# Altium PCB PCB.PcbDoc (part 1 of 3) (continued)
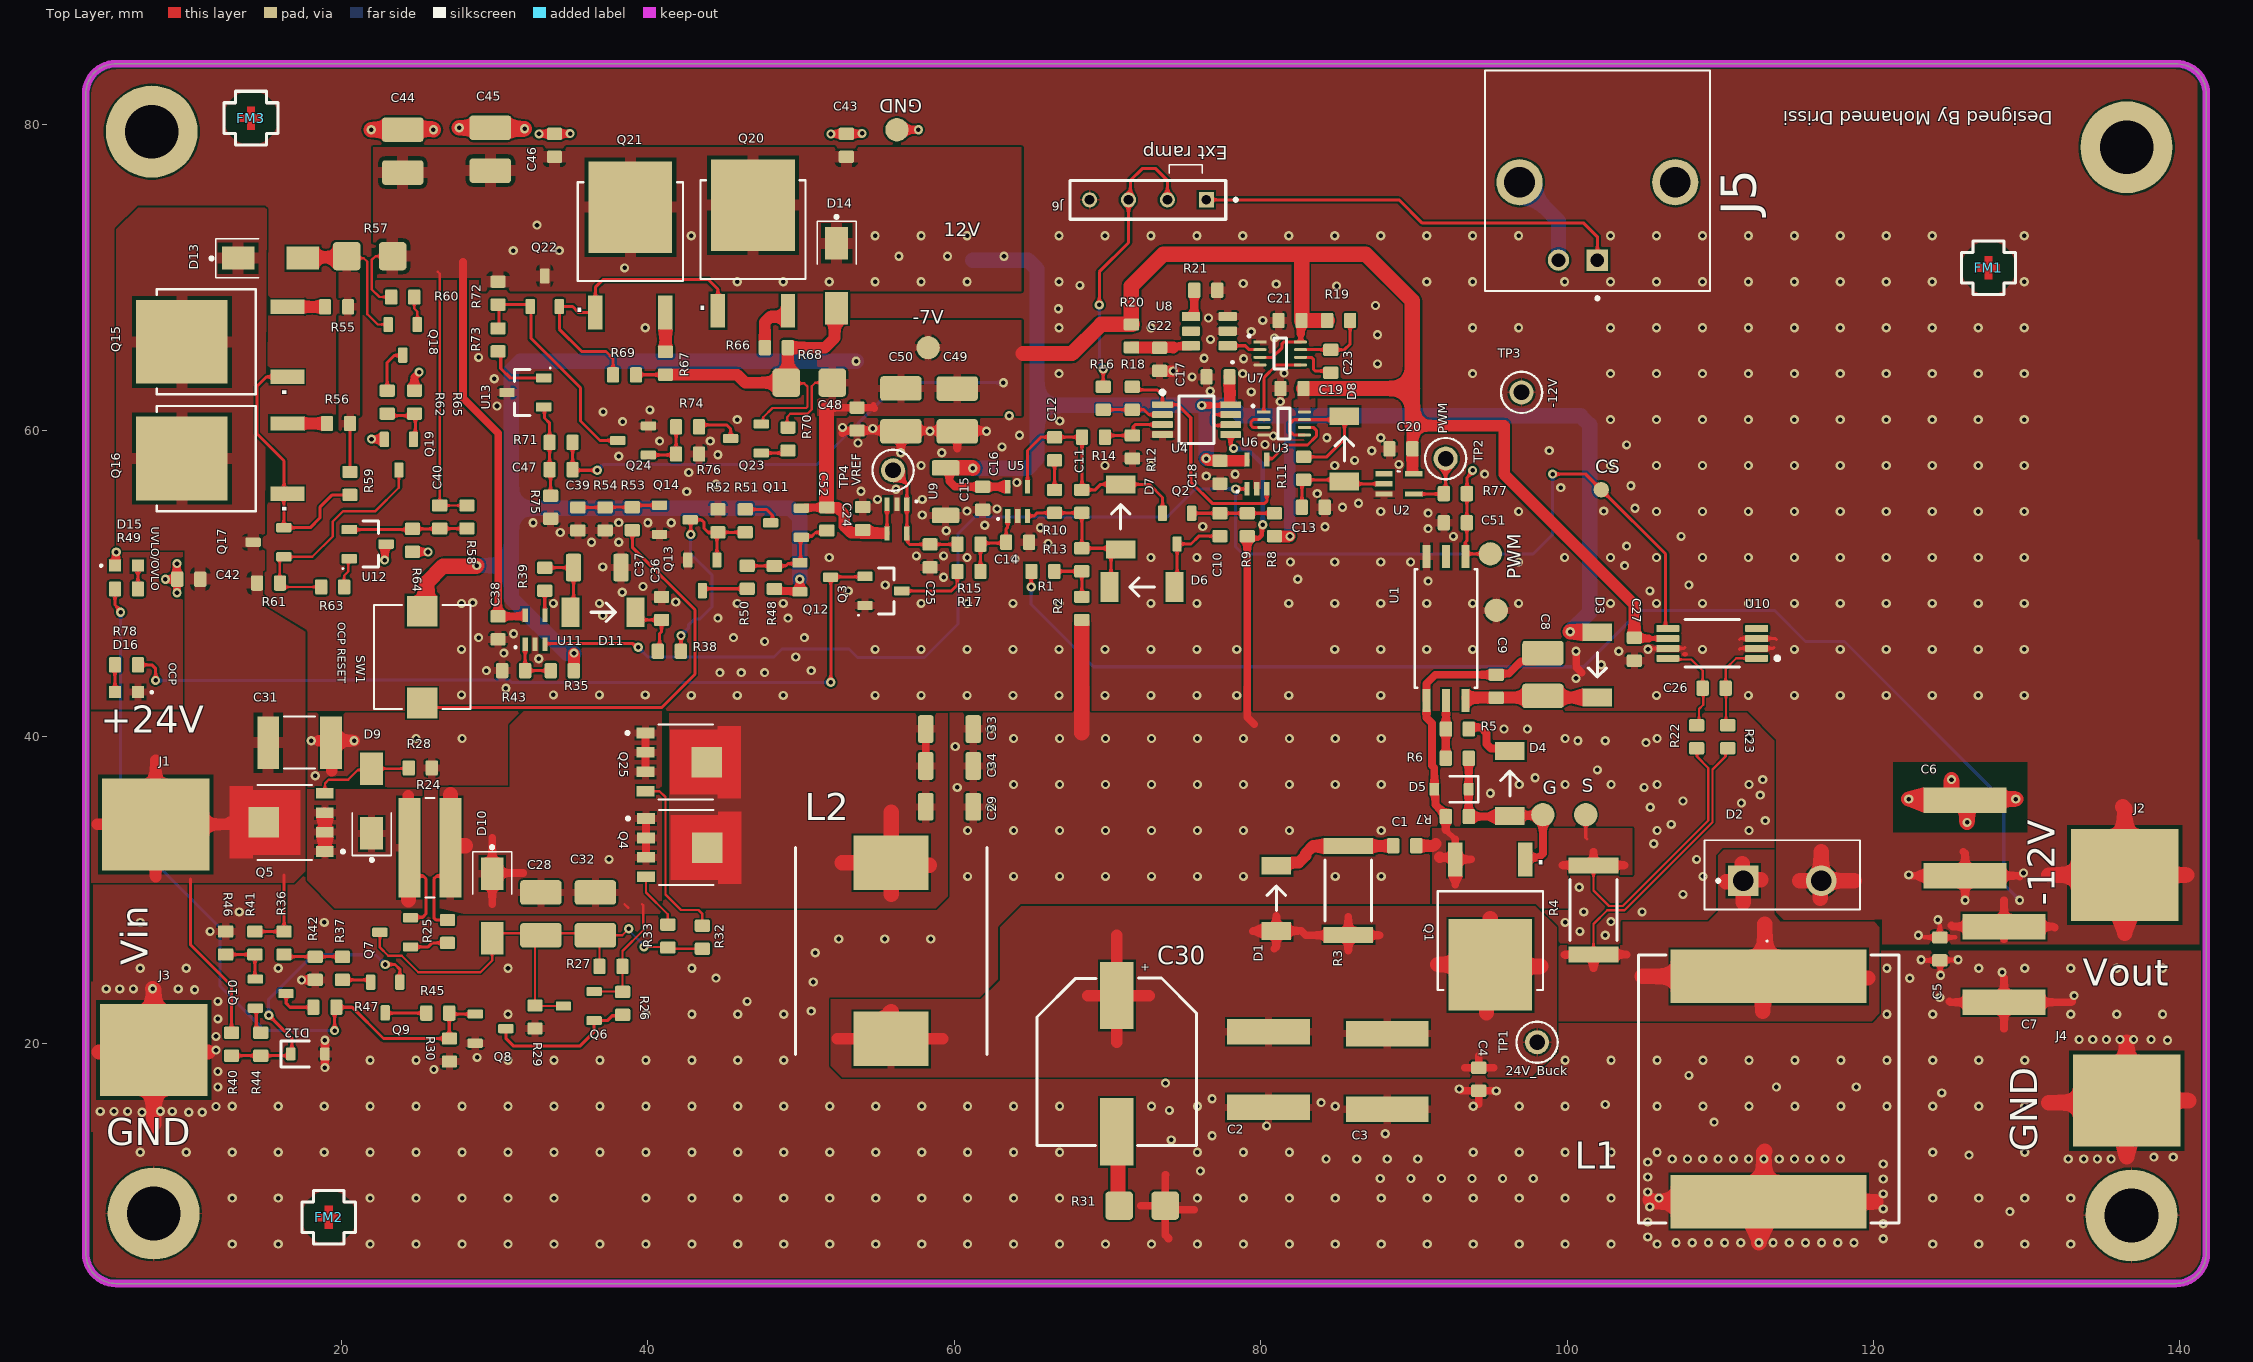
[diagram p0: Top Layer view]
## Components (designator, comment, footprint, x,y, rotation, side; value= is the part's Value field where it differs from the comment) (continued)
J5 "031-5431-10RFX" "031-5431-10RFX BNC" 101.981,73.66 r270 top
J6 "Samtec TS-104-T-AA" "CONN HEADER VERT 4POS 2.54MM" 72.644,75.057 r180 top
L1 "MWLA1707S-220MT" MWLA1707S 113.157,17.018 r270 top
L2 "SRP1265CC-100M" INDPM135125X650N 55.88,26.035 r270 top
MH1 "Mounting Hole" MOUNTING 136.843,8.763 r180 bottom
MH2 "Mounting Hole" MOUNTING 7.747,8.89 r180 bottom
MH3 "Mounting Hole" MOUNTING 136.525,78.486 r180 bottom
MH4 "Mounting Hole" MOUNTING 7.62,79.502 r180 bottom
Q1 "FQD18N20V2" "TO-252  (DPAK)" 94.996,26.708 r180 top
Q2 "BC856A,215" sot23 74.549,53.594 r180 top
Q3 "SSF2300" SOT-23-3 55.372,49.53 r180 top
Q4 "BUK6Y55-80PX" LFPAK56 42.703,32.77 r0 top
Q5 "BUK6Y55-80PX" LFPAK56 16.098,34.417 r180 top
Q6 "PBSS9110T-QR" SOT23 35.493,22.429 r90 top
Q7 "PBSS9110T-QR" SOT23 23.511,27.244 r90 top
Q8 "BC846,215" sot23 29.734,20.955 r270 top
Q9 "BC856A,215" sot23 22.86,22.987 r180 top
Q10 "BC856A,215" sot23 15.383,23.241 r270 top
Q11 "BC856A,215" sot23 49.022,53.975 r90 top
Q12 "BC856A,215" sot23 50.927,50.419 r270 top
Q13 "BC846,215" sot23 43.561,50.546 r180 top
Q14 "BC846,215" sot23 41.767,54.168 r270 top
Q15 "2SC6076(TE16L1,NV)" "TO-252  (DPAK)" 11.176,65.786 r90 top
Q16 "2SC6076(TE16L1,NV)" "TO-252  (DPAK)" 11.176,58.166 r90 top
Q17 "BC846,215" sot23 15.24,52.705 r90 top
Q18 "PBSS9110T-QR" SOT23 24.003,65.913 r180 top
Q19 "BC846,215" sot23 23.749,58.42 r180 top
Q20 "2SC6076(TE16L1,NV)" "TO-252  (DPAK)" 46.863,73.114 r0 top
Q21 "2SC6076(TE16L1,NV)" "TO-252  (DPAK)" 38.862,72.987 r0 top
Q22 "BC846,215" sot23 33.274,69.088 r0 top
Q23 "PBSS9110T-QR" SOT23 46.404,59.477 r90 top
Q24 "BC846,215" sot23 39.038,59.35 r90 top
Q25 "BUK6Y55-80PX" LFPAK56 42.672,38.354 r0 top
R1 "RT0603BRD071K13L" RES_0603 65.786,50.8 r180 top
R2 "ERA-3AEB103V" res_0603 68.326,48.387 r90 top
R3 "CPA2512E1000FS-T10" res_2512 85.725,29.972 r90 top
R4 "D1MPAB2512QR015FA-T4" res_2512 101.727,28.702 r270 top
R5 "CRCW06032R00FKEA" res_0603 92.837,40.513 r180 top value=2
R6 "CRCW06034R75FKEAHP" res_0603 92.837,38.608 r180 top value=4.75
R7 "CRCW0603100KFKEA" res_0603 92.837,34.798 r0 top
R8 "CRCW060375K0FKEAC" Res_0603 80.899,53.848 r90 top
R9 "RC0603FR-0715KL" Res_0603 79.121,53.848 r270 top
R10 "RN73H1JTTD6423B50" res_0603 66.548,55.372 r270 top value=642k
R11 "CRCW0603100KFKEA" res_0603 82.804,57.531 r270 top
R12 "ERA-3AEB103V" res_0603 71.628,58.928 r270 top
R13 "AT0603BRD0740KL" Res_0603 68.326,51.562 r270 top value=40k
R14 "ERA-3AEB103V" res_0603 69.088,59.563 r0 top
R15 "RC0603FR-071KL" res_0603 60.96,52.578 r180 top
R16 "ERA-3AEB103V" res_0603 69.723,62.103 r270 top
R17 "RC0603FR-0710RL" res_0603 60.96,50.8 r0 top
R18 "ERA-3AEB103V" res_0603 71.628,62.103 r90 top
R19 "RT0603BRD072KL" res_0603 85.09,67.183 r180 top
R20 "RC0603FR-07100RL" res_0603 71.561,66.17 r270 top
R21 "RT0603BRD07332KL" res_0603 76.419,69.151 r180 top
R22 "RC0603FR-0710RL" res_0603 108.458,40.005 r90 top value=1kΩ
R23 "RC0603FR-0710RL" res_0603 110.49,40.005 r90 top value=1kΩ
R24 "RLW73PA3FR047TE" RES_1225 25.781,32.766 r0 top
R25 "CRGCQ0603J220R" res_0603 26.924,27.305 r90 top
R26 "RC0603FR-0710KL" res_0603 38.354,22.606 r90 top
R27 "CRGCQ0603J68K" res_0603 37.592,25.019 r0 top
R28 "CRCW0603100KFKEA" res_0603 25.146,37.973 r180 top
R29 "CRCW0603100KFKEA" res_0603 32.639,21.717 r90 top
R30 "CRCW0603100KFKEA" res_0603 27.051,19.558 r90 top
R31 "MFHA1206R4000FC" res_1206 72.263,9.398 r180 top
R32 "RC0603FR-0710RL" res_0603 43.561,26.924 r270 top
R33 "RC0603FR-0710RL" res_0603 41.307,26.995 r270 top
R35 "CPF0603F20KC1" res_0603 34.417,44.323 r0 top value=20k
R36 "CRCW0603100KFKEA" res_0603 16.256,26.543 r90 top
R37 "RC0603FR-071KL" res_0603 20.066,24.892 r270 top
R38 "RC0603FR-0747KL" res_0603 41.402,45.593 r180 top
R39 "RC0603FR-07100RL" res_0603 33.274,50.292 r270 top
R40 "RC0603FR-073K6L" res_0603 12.827,19.939 r90 top
R41 "CRCW0603100KFKEA" res_0603 14.351,26.543 r90 top
R42 "RC0603FR-0724KL" res_0603 18.288,24.892 r90 top
R43 "MCT06030C3902FP500" res_0603 31.242,44.323 r0 top value=39k
R44 "RC0603FR-071KL" res_0603 14.732,19.939 r90 top
R45 "RC0603FR-07100RL" res_0603 26.289,21.971 r180 top
R46 "RC0603FR-0739KL" res_0603 12.446,26.543 r270 top
R47 "RC0603FR-07100RL" res_0603 18.923,22.352 r180 top
R48 "CRCW0603100KFKEA" res_0603 48.26,50.407 r270 top
R49 "RC0603FR-07100RL" res_0603 5.969,49.657 r180 top
R50 "CPF0603F20KC1" res_0603 46.482,50.419 r90 top value=20k
R51 "CPF0603F20KC1" res_0603 46.355,54.102 r90 top value=20k
R52 "CRCW0603100KFKEA" res_0603 44.577,54.102 r270 top
R53 "RC0603FR-071KL" res_0603 38.989,54.241 r90 top
R54 "CRCW0603100KFKEA" res_0603 37.211,54.229 r90 top
R55 "RCWE0603R220FKEA" res_0603 19.685,68.072 r0 top
R56 "RCWE0603R220FKEA" res_0603 19.812,60.452 r0 top
R57 "CRCW12061R40FKEAHP" res_1206 21.844,71.374 r0 top
R58 "CRGCQ0603J68K" res_0603 28.194,54.356 r90 top
R59 "RC0603FR-071KL" res_0603 20.558,56.547 r90 top
R60 "CRGCQ0603J220R" res_0603 24.003,68.707 r180 top
R61 "ERA-3AEB103V" res_0603 15.24,50.038 r180 top
R62 "ERA-3AEB103V" res_0603 22.987,61.849 r90 top
R63 "RC0603FR-071KL" res_0603 19.431,49.784 r180 top
R64 "CRCW060318K0FKEAC" res_0603 24.638,52.832 r90 top
R65 "RC0603JR-0733KL" res_0603 24.765,61.849 r270 top
R66 "RCWE0603R220FKEA" res_0603 48.387,65.405 r0 top
R67 "RCWE0603R220FKEA" res_0603 41.148,64.389 r270 top
R68 "CRM1206-JW-2R2ELF" res_1206 50.546,63.119 r180 top
R69 "RC0603FR-071KL" res_0603 38.481,63.627 r0 top
R70 "CRGCQ0603J220R" res_0603 49.149,59.436 r90 top
R71 "ERA-3AEB103V" res_0603 34.339,59.223 r0 top
R72 "ERA-3AEB103V" res_0603 30.226,68.961 r90 top
R73 "RC0603FR-071KL" res_0603 30.226,65.913 r90 top
R74 "ERA-3AEB103V" res_0603 42.594,60.239 r0 top
R75 "ERA-3AEB103V" res_0603 33.655,54.991 r90 top
R76 "RC0603JR-0733KL" res_0603 42.594,58.461 r180 top
R77 "RT0603BRE0710RL" res_0603 92.71,55.88 r180 top
R78 "RC0603FR-071KL" res_0603 5.969,44.704 r0 top
SW1 "TS37-6368-41-R-400-SMT-TR" TS37-6368-41-R-400-SMT-TR 25.273,45.212 r270 top
TP1 "5000" "TH TP" 98.044,20.066 r0 top
TP2 "5000" "TH TP" 92.075,58.166 r0 top
TP3 "5000" "TH TP" 97.028,62.484 r0 top
TP4 "5000" "TH TP" 56.007,57.404 r0 top
U1 "TLP5702(E" "TOSHIBA: 11-4N1A" 92.097,47.078 r270 top
U2 "74LVC1G17GV,125" SOT353-1 89.027,56.515 r0 top
U3 "SN74LVC2G132DCUR" 8-VSSOP 81.534,60.452 r0 top
U4 "OPA2354AIDGKT" "TSOP, 8-Leads" 75.819,60.706 r0 top
U5 "ADA4051-1AKSZ-R7" "5-Lead SOT-23" 64.135,55.372 r90 top
U6 "LM331AU-S5TR" "5-Lead SOT-23" 79.756,57.15 r90 top
U7 "SN74LVC1G123" 8-VSSOP 81.28,65.024 r0 top
U8 "LTC6906CS6#TRMPBF" sot23-6 76.651,66.482 r90 top
U9 "LM4121AIM5-ADJ/NOPB" "5-Lead SOT-23" 56.261,54.229 r270 top
U10 "INA240A1PWR" SOIC 109.474,46.101 r180 top
U11 "LM331AU-S5TR" "5-Lead SOT-23" 32.639,46.99 r90 top
U12 "TL431IDBZR" SOT-23-3 21.717,52.578 r180 top
U13 "TL431IDBZR" SOT-23-3 32.004,62.484 r0 top

## Footprints (in the part's own frame and the unit in brackets; to place one, negate y for a bottom-side part, rotate by r counter-clockwise, add the part's x,y. Pads: shape width x height; smd on the part's side, far side on the other; paste and mask are expansions set on the pad)
"5-Lead SOT-23" [mm]
  rect 0.9x0.35 smd mask+0.1: 1(-0.95,0.65) 2(-0.95,0) 3(-0.95,-0.65) 4(0.95,-0.65) 5(0.95,0.65)
  silkscreen extent -1.15,1.26 -1.13,1.28, body extent -0.67,-1.1 0.67,1.1, height 1.1
8-VSSOP [mm]
  rect 0.86x0.197 smd paste+0: 1(-1.326,0.75)
  rrect100% 0.86x0.197 smd paste+0: 2(-1.326,0.25) 3(-1.326,-0.25) 4(-1.326,-0.75) 5(1.326,-0.75) 6(1.326,-0.25) 7(1.326,0.25) 8(1.326,0.75)
  silkscreen extent -2.06,-1 0.4,1.17, body extent -1.86,-1.1 1.86,1.1, height 0.25
"031-5431-10RFX BNC" [mm]
  rect 1.398x1.398 / inner round 1.398 / far side rect 1.398x1.398 hole 0.89 mask+0.102: 1(2.54,0)
  round 1.398 hole 0.89 mask+0.102: 2(2.54,-2.54)
  round 3.015 hole 2.01 mask+0.102: P1(-2.54,-5.08) P2(-2.54,5.08)
  silkscreen extent -9.84,-7.35 5.13,7.35, body extent -30.63,-7.38 4.87,7.32, height 15.27
"Black Banana connector Solder terminal" [mm]
  rect 7x6 smd: 1(0,0)
  body extent -3.3,-6.77 30.99,7.53, height 7.65
cap_0603 [mm]
  rrect25% 0.8x1 smd: 1(-0.75,0) 2(0.75,0)
  body extent -0.8,-0.4 0.8,0.4, height 0.51
Cap_0603 [mm]
  rrect25% 0.8x1 smd: 1(-0.75,0) 2(0.75,0)
  body extent -0.8,-0.4 0.8,0.4, height 0.51
cap_1206 [mm]
  rrect25% 1x1.8 smd: 1(-1.55,0) 2(1.55,0)
  body extent -1.6,-0.8 1.6,0.8, height 0.94
cap_1210 [mm]
  rrect25% 1.6x2.7 smd: 1(-1.4,0) 2(1.4,0)
  body extent -1.6,-1.25 1.6,1.25, height 2.5
CAP_1812 [mm]
  rect 1.41x3.42 smd: 1(-2.049,0) 2(2.049,0)
  silkscreen extent -1.02,-1.7 1.02,1.7, body extent -2.25,-1.6 2.25,1.6, height 1.27
cap_2220 [mm]
  rect 1.66x5.41 smd: 1(-2.47,0) 2(2.47,0)
  body extent -2.85,-2.5 2.85,2.5, height 3.3
CAP_POL_10×16.5 [mm]
  rect 4.4x2.2 smd paste+0 mask+0.102: 1(4.45,0) 2(-4.45,0)
  silkscreen extent -5.33,-5.21 5.59,5.21, body extent -4.47,-4.19 4.73,4.31, height 7
"CONN HEADER VERT 4POS 2.54MM" [mm]
  rect 0.985x0.985 hole 0.635: 1(-3.81,0)
  round 0.985 hole 0.635: 2(-1.27,0) 3(1.27,0) 4(3.81,0)
  silkscreen extent -5.83,-1.27 5.08,1.27, body extent -5.18,-1.27 5.18,1.27, height 8.28
DO-214AC [mm]
  rect 2.12x1.5 smd paste+0 mask+0.1: A(2.115,0) C(-2.115,0)
  silkscreen extent -3.94,-1.27 -0.76,1.27, body extent -2.57,-1.28 2.57,1.28, height 2.5
DO-221AD [mm]
  rect 1.17x1.93 smd: A(2.125,0) C(-2.125,0)
  silkscreen extent -0.8,-0.6 0.8,0.6, body extent -2.35,-1.25 2.35,1.25, height 1.1
FIDUCIAL_CROSS_1MM5 [mil]
  round 1 smd paste-19.68: FM(0,0)
  Top Layer pour cut-out: 0,68.9 26.37,63.65 48.72,48.72 63.65,26.37 68.9,0 68.9,0 63.65,-26.37 48.72,-48.72 26.37,-63.65 0,-68.9 0,-68.9 -26.37,-63.65 -48.72,-48.72 -63.65,-26.37 -68.9,0 -68.9,0 -63.65,26.37 -48.72,48.72 -26.37,63.65 0,68.9
  Top Layer region: -9.84,-29.53 -9.84,-9.84 -29.53,-9.84 -29.53,9.84 -9.84,9.84 -9.84,29.53 9.84,29.53 9.84,9.84 29.53,9.84 29.53,-9.84 9.84,-9.84 9.84,-29.53
  silkscreen extent -69,-69 69,69
INDPM135125X650N [mm]
  rect 3.55x4.9 smd: 1(-5.75,0) 2(5.75,0)
  silkscreen extent -6.75,-6.25 6.75,6.25, body extent -6.75,-6.25 6.75,6.25, height 6.5
LED [mm]
  rect 0.8x0.8 smd paste+0 mask+0: A(0.75,0) K(-0.75,0)
  silkscreen extent -1.67,-0.02 -1.63,0.02, body extent -1.25,-0.55 1.25,0.55, height 0.25
LFPAK56 [mm]
  rect 1.15x0.7 smd paste-0.05 mask+0.1: 1(-2.825,-0.635) 1(-2.825,0.635) 1(-2.825,1.905) 4(-2.825,-1.905)
  rect 2x2 smd paste-2 mask+0: MB(1.17,0)
  Top Layer region: 3.4,-2.35 1.9,-2.35 1.9,-2.1 -1.2,-2.1 -1.2,2.1 1.9,2.1 1.9,2.35 3.4,2.35
  silkscreen extent -4.1,-2.45 1.59,2.45, body extent -3,-2.45 3,2.45, height 1.2
MOUNTING [mm]
  round 6 hole 3.5: 1(0,0)
  silkscreen extent -3.3,-3.3 3.3,3.3, body extent -3,-2.75 3,2.75, height 4.24
MWLA1707S [mm]
  rect 3.5x12.8 smd: 1(-7.35,0) 2(7.35,0)
  silkscreen extent -9.7,-8.5 8.75,8.5, body extent -8.75,-8.5 8.75,8.5, height 7.1
RES_0603 [mm]
  rrect25% 0.8x1 smd mask+0.1: 1(-0.75,0) 2(0.75,0)
  body extent -0.8,-0.43 0.8,0.43, height 0.52
res_0603 [mm]
  rrect25% 0.8x1 smd mask+0.1: 1(-0.75,0) 2(0.75,0)
  body extent -0.8,-0.43 0.8,0.43, height 0.52
Res_0603 [mm]
  rrect25% 0.8x1 smd mask+0.1: 1(-0.75,0) 2(0.75,0)
  body extent -0.8,-0.43 0.8,0.43, height 0.52
res_1206 [mm]
  rrect25% 1.8x1.84 smd mask+0.1: 1(-1.5,0) 2(1.5,0)
  body extent -1.6,-0.83 1.6,0.83, height 0.57
RES_1225 [mm]
  rect 1.44x6.52 smd paste+0 mask+0.102: 1(-1.34,0) 2(1.34,0)
  silkscreen extent -0.3,-3.25 0.3,3.25, body extent -1.6,-3.15 1.6,3.15, height 0.8
res_2512 [mm]
  rect 1.05x3.25 smd: 1(-2.9,0) 2(2.9,0)
  silkscreen extent -2,-1.52 2,1.53, body extent -3.25,-1.7 3.25,1.7, height 0.75
SOD-323 [mm]
  rrect25% 0.63x0.83 smd: A(-1.115,0) K(1.115,0)
  silkscreen extent -0.1,-0.85 1.75,0.85, body extent -1.3,-0.68 1.3,0.68, height 1.1
SOIC [mm]
  rrect22% 1.5x0.45 smd paste+0 mask+0: 1(-2.9,0.975) 2(-2.9,0.325) 3(-2.9,-0.325) 4(-2.9,-0.975) 5(2.9,-0.975) 6(2.9,-0.325) 7(2.9,0.325) 8(2.9,0.975)
  silkscreen extent -4.37,-1.55 1.77,1.55, body extent -3.75,-1.8 3.75,1.8, height 0.25
sot23 [mm]
  rrect25% 0.6x1 smd: 1(-0.95,-1) 2(0.95,-1) 3(0,1)
  body extent -1.45,-1.2 1.45,1.2, height 0.91
SOT23 [mm]
  rrect25% 0.6x1 smd: 1(-0.95,-1) 2(0.95,-1) 3(0,1)
  body extent -1.45,-1.2 1.45,1.2, height 0.91
sot23-6 [mm]
  rrect25% 0.6x1.2 smd mask+0.1: 1(-0.95,-1.2) 2(0,-1.2) 3(0.95,-1.2) 4(0.95,1.2) 5(0,1.2) 6(-0.95,1.2)
  silkscreen extent -2.03,-1.52 -2.03,-1.5, body extent -1.45,-1.4 1.45,1.4, height 1.45
SOT353-1 [mil]
  rect 44x14 smd mask+3.94: 1(-38,26) 2(-38,0) 3(-38,-26) 4(38,-26) 5(38,26)
  silkscreen extent -3,32 3,32, body extent -41,-39 41,39, height 43
SOT-23-3 [mm]
  rrect17% 1x0.6 smd: 1(1.2,0.95) 2(1.2,-0.95) 3(-1.2,0)
  silkscreen extent -0.7,-1.5 1.66,1.63, body extent -1.26,-1.46 1.26,1.46, height 0.96
"TH TP" [mm]
  round 1.57 hole 1.02 paste-2539.97: 1(0,0)
  silkscreen extent -1.35,-1.34 1.35,1.34, body extent -1.27,-1.26 1.27,1.26, height 4.57
TO-220 [mm]
  rect 2.01x2.01 / inner round 2.01 / far side rect 2.01x2.01 hole 1.34 mask+0.102: 1(-2.54,0)
  round 2.01 hole 1.34 mask+0.102: 2(2.54,0)
  silkscreen extent -5.08,-1.86 5.08,2.65, body extent -5.1,-1.87 5.1,2.63, height 19.68
"TO-252  (DPAK)" [mil] "1N65M5 STM"
  rect 37x87 smd paste+0: 1(-90,-208.5) 3(90,-208.5)
  rect 215x235 smd paste+0: 2(0,62.5)
  silkscreen extent -135,-127 135,127, body extent -130,-240 130,157, height 96
"TOSHIBA: 11-4N1A" [mil]
  rect 60x21 smd paste+0 mask+3.94: 1(-185,50) 2(-185,0) 3(-185,-50) 4(185,-50) 5(185,0) 6(185,50)
  silkscreen extent -153,-80 153,81, body extent -201,-76 201,76, height 87
TS37-6368-41-R-400-SMT-TR [mm]
  rect 2x2 smd paste+0 mask+0.102: 1(-3,0)
  rect 2x2 smd paste+0 mask+0.1: 2(3,0)
  silkscreen extent -3.4,-3.15 3.4,3.15, body extent -3.45,-3.18 3.45,3.22, height 4.15
"TSOP, 8-Leads" [mm] "Body 3.1x3.1mm, Pitch 0.65mm"
  rrect22% 1.35x0.45 smd: 1(-2.225,0.975) 2(-2.225,0.325) 3(-2.225,-0.325) 4(-2.225,-0.975) 5(2.225,-0.975) 6(2.225,-0.325) 7(2.225,0.325) 8(2.225,0.975)
  silkscreen extent -2.35,-1.55 1.15,1.9, body extent -2.45,-1.5 2.45,1.5, height 0.94

## Part data
C1 C4 C5 C9 C14 C16 C17 C18 C19 C20 C21 C24 C27 C38 C42 C43 C46 C48: library part "Cal-chip GMC10X7R104K100NT", "100V 100nF X7R ±10% 0603 Multilayer Ceramic Capacitors MLCC - SMD/SMT ROHS", Capacitance=100nF, Case/Package=0603, Dielectric Material=Ceramic, Manufacturer="Cal-Chip Electronics", Max Operating Temperature=125°C, Min Operating Temperature=-55°C, Supplier Part Number=4713-GMC10X7R104K100NTCT-ND, Voltage Rating (DC)=100V, Category="Ceramic Capacitors", China RoHS=Compliant, ComponentLink1Description=https://datasheet.octopart.com:443/GMC10X7R104K100NT-Cal-Chip-Electronics-datasheet-182028815.pdf?src-supplier=IHS, ComponentLink1URL=https://datasheet.octopart.com:443/GMC10X7R104K100NT-Cal-Chip-Electronics-datasheet-182028815.pdf?src-supplier=IHS, Height=950µm, Length=1.6mm, Lifecycle Status=Production, Manufacturer Part Number=GMC10X7R104K100NT, Mounting Technology="Surface Mount", Number of Terminals=2, Pricing="1=0,1, 10=0,045, 50=0,0306, 100=0,0262, 500=0,01902, 1000=0,0168 (USD)", REACH SVHC=Yes, RoHS=Compliant, Stock=34767, Supplier=DigiKey, Width=800µm
C2 C3 C6 C7: library part "Murata KRM55WR71H476MH13K", "Multilayer Ceramic Capacitors MLCC - SMD/SMT 47uF 50VDC 20% X7R", Capacitance=47uF, Case/Package=2220, Dielectric=X7R, Dielectric Material=Ceramic, Manufacturer=Murata, Max Operating Temperature=125°C, Min Operating Temperature=-55°C, Supplier Part Number=490-KRM55WR71H476MH13KCT-ND, Tolerance=20%, Voltage Rating=50V, Category="Ceramic Capacitors", ComponentLink1Description=https://datasheet.octopart.com/KRM55WR71H476MH13K-Murata-datasheet-12515295.pdf, ComponentLink1URL=https://datasheet.octopart.com/KRM55WR71H476MH13K-Murata-datasheet-12515295.pdf, ComponentLink2Description=https://datasheet.octopart.com/KRM55WR71H476MH13K-Murata-datasheet-12510076.pdf, ComponentLink2URL=https://datasheet.octopart.com/KRM55WR71H476MH13K-Murata-datasheet-12510076.pdf, ComponentLink3Description=https://datasheet.octopart.com/KRM55WR71H476MH13K-Murata-datasheet-11978611.pdf, ComponentLink3URL=https://datasheet.octopart.com/KRM55WR71H476MH13K-Murata-datasheet-11978611.pdf, ComponentLink4Description=https://datasheet.octopart.com/KRM55WR71H476MH13K-Murata-datasheet-10025737.pdf, ComponentLink4URL=https://datasheet.octopart.com/KRM55WR71H476MH13K-Murata-datasheet-10025737.pdf, ComponentLink5Description=https://datasheet.octopart.com/KRM55WR71H476MH13K-Murata-datasheet-8819587.pdf, ComponentLink5URL=https://datasheet.octopart.com/KRM55WR71H476MH13K-Murata-datasheet-8819587.pdf, ComponentLink6Description=http://sigma.octopart.com:80/reach_statement/Murata-company-16.pdf?src-supplier=Compliance+Statements, ComponentLink6URL=http://sigma.octopart.com:80/reach_statement/Murata-company-16.pdf?src-supplier=Compliance+Statements, Height=6.4mm, Length=6.1mm, Lifecycle Status=Production, Manufacturer Part Number=KRM55WR71H476MH13K, Material=Ceramic, Mounting Technology="Surface Mount", Number of Terminals=2, Pricing="1=4,98, 10=3,591, 50=3,0356, 100=2,8638 (USD)", REACH SVHC=Yes, RoHS=Compliant, Stock=10136, Supplier=DigiKey, Thickness=6.4mm, Voltage Rating (DC)=50V, Width=5.3mm
C8 C44 C45 C49 C50: library part "Wurth 885012209073", "Cap, 10Uf, 50V, Mlcc, 1210 Rohs Compliant: Yes", Capacitance=10uF, Case/Package=1210, Insulation Resistance=10MΩ, Manufacturer="Wurth Elektronik", Manufacturer Lifecycle Status=ACTIVE, Max Operating Temperature=125°C, Min Operating Temperature=-55°C, Supplier Part Number=2571123, Tolerance=10%, Voltage Rating=50V, Category="Ceramic Capacitors", ComponentLink1Description=https://datasheet.octopart.com:443/885012209073-Wurth-Elektronik-datasheet-166092699.pdf?src-supplier=Newark, ComponentLink1URL=https://datasheet.octopart.com:443/885012209073-Wurth-Elektronik-datasheet-166092699.pdf?src-supplier=Newark, ComponentLink2Description=https://datasheet.octopart.com:443/885012209073-W%C3%BCrth-Elektronik-datasheet-137006727.pdf?src-supplier=Wurth+Elektronik, ComponentLink2URL=https://datasheet.octopart.com:443/885012209073-W%C3%BCrth-Elektronik-datasheet-137006727.pdf?src-supplier=Wurth+Elektronik, Height=2.5mm, Length=3.2mm, Lifecycle Status=Production, Manufacturer Part Number=885012209073, Material=Ceramic, Pricing="10=1,153, 100=1,081, 200=1,009, 400=0,851, 500=0,799 (EUR)", RoHS=Compliant, Stock=1289, Supplier=RS, Width=2.5mm, YEOL="1 = Estimated lifetime > 10 years"
C10 C51: library part "Murata GCM1885C2A101JA16D", "100V 100pF C0G ±5% 0603 Multilayer Ceramic Capacitors MLCC - SMD/SMT ROHS", Capacitance=100pF, Case Code (Imperial)=0603, Case Code (Metric)=1608, Dielectric=C0G, Dielectric Material=Ceramic, Manufacturer=Murata, Manufacturer Lifecycle Status="IN PRODUCTION", Max Operating Temperature=125°C, Min Operating Temperature=-55°C, Ratings=AEC-Q200, Supplier Part Number=8151323P, Temperature Coefficient=30ppm/°C, Tolerance=5%, Voltage=100V, Case/Package=0603, Category="Ceramic Capacitors", ComponentLink1Description=https://datasheet.octopart.com:443/GCM1885C2A101JA16D-Murata-datasheet-149522598.pdf?src-supplier=Farnell, ComponentLink1URL=https://datasheet.octopart.com:443/GCM1885C2A101JA16D-Murata-datasheet-149522598.pdf?src-supplier=Farnell, ComponentLink2Description=https://datasheet.octopart.com:443/GCM1885C2A101JA16D-Murata-datasheet-104277829.pdf?src-supplier=Newark, ComponentLink2URL=https://datasheet.octopart.com:443/GCM1885C2A101JA16D-Murata-datasheet-104277829.pdf?src-supplier=Newark, ComponentLink3Description=https://datasheet.octopart.com:443/GCM1885C2A101JA16D-Murata-datasheet-141266551.pdf?src-supplier=Geoflip, ComponentLink3URL=https://datasheet.octopart.com:443/GCM1885C2A101JA16D-Murata-datasheet-141266551.pdf?src-supplier=Geoflip, ComponentLink4Description=https://datasheet.octopart.com:443/GCM1885C2A101JA16D-Murata-datasheet-14404397.pdf?src-supplier=Future+Electronics, ComponentLink4URL=https://datasheet.octopart.com:443/GCM1885C2A101JA16D-Murata-datasheet-14404397.pdf?src-supplier=Future+Electronics, ComponentLink5Description=https://datasheet.octopart.com:443/GCM1885C2A101JA16D-Murata-datasheet-12524712.pdf?src-supplier=Future+Electronics, ComponentLink5URL=https://datasheet.octopart.com:443/GCM1885C2A101JA16D-Murata-datasheet-12524712.pdf?src-supplier=Future+Electronics, ComponentLink6Description=https://datasheet.octopart.com:443/GCM1885C2A101JA16D-Murata-datasheet-44104441.pdf?src-supplier=Future+Electronics, ComponentLink6URL=https://datasheet.octopart.com:443/GCM1885C2A101JA16D-Murata-datasheet-44104441.pdf?src-supplier=Future+Electronics, ComponentLink7Description=https://datasheet.octopart.com:443/GCM1885C2A101JA16D-Murata-datasheet-140657395.pdf?src-supplier=Ciiva, ComponentLink7URL=https://datasheet.octopart.com:443/GCM1885C2A101JA16D-Murata-datasheet-140657395.pdf?src-supplier=Ciiva, ComponentLink8Description=https://datasheet.octopart.com:443/GCM1885C2A101JA16D-Murata-datasheet-138717052.pdf?src-supplier=Ciiva, ComponentLink8URL=https://datasheet.octopart.com:443/GCM1885C2A101JA16D-Murata-datasheet-138717052.pdf?src-supplier=Ciiva, ComponentLink9Description=https://datasheet.octopart.com:443/GCM1885C2A101JA16D-Murata-datasheet-141971842.pdf?src-supplier=Arrow.cn, ComponentLink9URL=https://datasheet.octopart.com:443/GCM1885C2A101JA16D-Murata-datasheet-141971842.pdf?src-supplier=Arrow.cn, ComponentLink10Description=https://datasheet.octopart.com:443/GCM1885C2A101JA16D-Murata-datasheet-12511495.pdf?src-supplier=TME, ComponentLink10URL=https://datasheet.octopart.com:443/GCM1885C2A101JA16D-Murata-datasheet-12511495.pdf?src-supplier=TME, ComponentLink11Description=http://sigma.octopart.com:80/reach_statement/Murata-company-16.pdf?src-supplier=Compliance+Statements, ComponentLink11URL=http://sigma.octopart.com:80/reach_statement/Murata-company-16.pdf?src-supplier=Compliance+Statements, Depth=800µm, Height=800µm, Lead Free="Lead Free", Length=1.6mm, Lifecycle Status=Production, Manufacturer Part Number=GCM1885C2A101JA16D, Material=Ceramic, Mounting Technology="Surface Mount", Number of Terminals=2, Pricing="1000=0,018, 2000=0,017, 5000=0,016, 10000=0,014 (EUR)", Radiation Hardening=No, REACH SVHC=Yes, RoHS=Compliant, Schedule B="8532240020, 8532240020|8532240020, 8532240020|8532240020|8532240020, 8532240020|8532240020|8532240020|8532240020", Stock=11200, Supplier=RS, Termination=SMD/SMT, Voltage Rating=100V, Voltage Rating (DC)=100V, Width=800µm
C11: library part "Vishay VJ0603A120KXJCW1BC", "Ceramic Capacitor, Multilayer, Ceramic, 16V, 10% +Tol, 10% -Tol, C0G, 30ppm/Cel TC, 0.000012uF, Surface Mount, 0603", Capacitance=12pF, Case Code (Imperial)=0603, Case Code (Metric)=1608, Dielectric=C0G, Dielectric Material=Ceramic, Manufacturer=Vishay, Max Operating Temperature=125°C, Min Operating Temperature=-55°C, Supplier Part Number=720-VJ0603A120KXJCW1BCCT-ND, Tolerance=10%, Voltage Rating (DC)=16V, Case/Package=0603, Category="Ceramic Capacitors", China RoHS=Compliant, ComponentLink1Description=https://datasheet.octopart.com:443/VJ0603A120KXJCW1BC-Vishay-datasheet-182138897.pdf?src-supplier=IHS, ComponentLink1URL=https://datasheet.octopart.com:443/VJ0603A120KXJCW1BC-Vishay-datasheet-182138897.pdf?src-supplier=IHS, ComponentLink2Description=https://datasheet.octopart.com:443/VJ0603A120KXJCW1BC-Vishay-datasheet-182137606.pdf?src-supplier=IHS, ComponentLink2URL=https://datasheet.octopart.com:443/VJ0603A120KXJCW1BC-Vishay-datasheet-182137606.pdf?src-supplier=IHS, ComponentLink3Description=https://datasheet.octopart.com/VJ0603A120KXJCW1BC-Vishay-datasheet-13530908.pdf, ComponentLink3URL=https://datasheet.octopart.com/VJ0603A120KXJCW1BC-Vishay-datasheet-13530908.pdf, ComponentLink4Description=https://datasheet.octopart.com/VJ0603A120KXJCW1BC-Vishay-datasheet-13436109.pdf, ComponentLink4URL=https://datasheet.octopart.com/VJ0603A120KXJCW1BC-Vishay-datasheet-13436109.pdf, ComponentLink5Description=https://datasheet.octopart.com/VJ0603A120KXJCW1BC-Vishay-datasheet-13168783.pdf, ComponentLink5URL=https://datasheet.octopart.com/VJ0603A120KXJCW1BC-Vishay-datasheet-13168783.pdf, ComponentLink6Description=https://datasheet.octopart.com/VJ0603A120KXJCW1BC-Vishay-datasheet-13134009.pdf, ComponentLink6URL=https://datasheet.octopart.com/VJ0603A120KXJCW1BC-Vishay-datasheet-13134009.pdf, ComponentLink7Description=https://datasheet.octopart.com/VJ0603A120KXJCW1BC-Vishay-datasheet-13055807.pdf, ComponentLink7URL=https://datasheet.octopart.com/VJ0603A120KXJCW1BC-Vishay-datasheet-13055807.pdf, ComponentLink8Description=https://datasheet.octopart.com/VJ0603A120KXJCW1BC-Vishay-datasheet-13029350.pdf, ComponentLink8URL=https://datasheet.octopart.com/VJ0603A120KXJCW1BC-Vishay-datasheet-13029350.pdf, ComponentLink9Description=https://datasheet.octopart.com/VJ0603A120KXJCW1BC-Vishay-datasheet-12584848.pdf, ComponentLink9URL=https://datasheet.octopart.com/VJ0603A120KXJCW1BC-Vishay-datasheet-12584848.pdf, ComponentLink10Description=https://datasheet.octopart.com/VJ0603A120KXJCW1BC-Vishay-datasheet-12543093.pdf, ComponentLink10URL=https://datasheet.octopart.com/VJ0603A120KXJCW1BC-Vishay-datasheet-12543093.pdf, ComponentLink11Description=https://datasheet.octopart.com/VJ0603A120KXJCW1BC-Vishay-datasheet-12532924.pdf, ComponentLink11URL=https://datasheet.octopart.com/VJ0603A120KXJCW1BC-Vishay-datasheet-12532924.pdf, ComponentLink12Description=https://datasheet.octopart.com/VJ0603A120KXJCW1BC-Vishay-datasheet-12519409.pdf, ComponentLink12URL=https://datasheet.octopart.com/VJ0603A120KXJCW1BC-Vishay-datasheet-12519409.pdf, ComponentLink13Description=https://datasheet.octopart.com/VJ0603A120KXJCW1BC-Vishay-datasheet-12509873.pdf, ComponentLink13URL=https://datasheet.octopart.com/VJ0603A120KXJCW1BC-Vishay-datasheet-12509873.pdf, ComponentLink14Description=https://datasheet.octopart.com/VJ....W1BC-Basic-Commodity-Series-Vishay-datasheet-family-113.pdf, ComponentLink14URL=https://datasheet.octopart.com/VJ....W1BC-Basic-Commodity-Series-Vishay-datasheet-family-113.pdf, ComponentLink15Description=http://sigma.octopart.com:80/rohs_statement/VJ....W1BC-Basic-Commodity-Series-Vishay-family-122.pdf?src-supplier=Compliance+Statements, ComponentLink15URL=http://sigma.octopart.com:80/rohs_statement/VJ....W1BC-Basic-Commodity-Series-Vishay-family-122.pdf?src-supplier=Compliance+Statements, Depth=800µm, Export Control Classification Number (ECCN) Code=EAR99, Harmonized Tariff Schedule (HTS) Code=8532.24.00.20, Height=870µm, Lead Free="Lead Free", Length=1.6mm, Lifecycle Status=Production, Manufacturer Part Number=VJ0603A120KXJCW1BC, Mounting Technology="Surface Mount", Number of Terminals=2, Pricing="1=0,11, 10=0,059, 50=0,0408, 100=0,0353, 500=0,02592, 1000=0,02304 (USD)", REACH SVHC=Yes, RoHS=Compliant, Stock=710, Supplier=DigiKey, Termination=SMD/SMT, Weight=2.012816mg, Width=800µm
C12: library part "Wurth 885012006026", "WCAP-CSGP 0603 (1608Metric) Ceramic Capacitor 0.063Lx0.031W 1.60mmx0.80mm C0G NP0 ±5% 330pF", Capacitance=330pF, Case Code (Imperial)=0603, Case Code (Metric)=1608, Insulation Resistance=10GΩ, Manufacturer="Wurth Elektronik", Manufacturer Lifecycle Status=ACTIVE, Max Operating Temperature=125°C, Min Operating Temperature=-55°C, Supplier Part Number=2633921, Tolerance=5%, Voltage Rating=16V, Case/Package=0603, Category="Ceramic Capacitors", ComponentLink1Description=https://datasheet.octopart.com:443/885012006026-Wurth-Elektronik-datasheet-168509597.pdf?src-supplier=Newark, ComponentLink1URL=https://datasheet.octopart.com:443/885012006026-Wurth-Elektronik-datasheet-168509597.pdf?src-supplier=Newark, ComponentLink2Description=https://datasheet.octopart.com:443/885012006026-W%C3%BCrth-Elektronik-datasheet-101615373.pdf?src-supplier=Wurth+Elektronik, ComponentLink2URL=https://datasheet.octopart.com:443/885012006026-W%C3%BCrth-Elektronik-datasheet-101615373.pdf?src-supplier=Wurth+Elektronik, Height=800µm, Length=1.6mm, Lifecycle Status=Production, Manufacturer Part Number=885012006026, Mounting Technology="Surface Mount", Pricing="100=0,047, 500=0,043, 1000=0,038, 2000=0,034 (EUR)", RoHS=Compliant, Stock=3700, Supplier=RS, Thickness=863.6µm, Voltage Rating (DC)=16V, Width=800µm, YEOL="1 = Estimated lifetime > 10 years"
C13: library part "Samsung CL10C150JC81PNC", "100V 15pF C0G 卤5% 0603 Multilayer Ceramic Capacitors MLCC - SMD/SMT ROHS", Capacitance=15pF, Case/Package=0603, Dielectric Material=Ceramic, Manufacturer="Samsung Electro-Mechanics", Max Operating Temperature=125°C, Min Operating Temperature=-55°C, Supplier Part Number=1276-CL10C150JC81PNCDKR-ND, Temperature Coefficient=30ppm/°C, Tolerance=5%, Voltage Rating=100V, Category="Ceramic Capacitors", China RoHS=Compliant, ComponentLink1Description=https://datasheet.octopart.com:443/CL10C150JC81PNC-Samsung-Electro-Mechanics-datasheet-176142735.pdf?src-supplier=IHS, ComponentLink1URL=https://datasheet.octopart.com:443/CL10C150JC81PNC-Samsung-Electro-Mechanics-datasheet-176142735.pdf?src-supplier=IHS, Country of Origin="Mainland China, Philippines, South Korea", Export Control Classification Number (ECCN) Code=EAR99, Harmonized Tariff Schedule (HTS) Code=8532.24.00.20, Height=800µm, Introduction Date=2010-02-10, Length=1.6mm, Lifecycle Status=Production, Manufacturer Part Number=CL10C150JC81PNC, Material=Ceramic, Mounting Technology="Surface Mount", Number of Terminals=2, Pricing="1=0,1, 10=0,05, 50=0,0342, 100=0,0295, 500=0,02142, 1000=0,01896 (USD)", REACH SVHC=Yes, RoHS=Compliant, Stock=73765, Supplier=DigiKey, Voltage Rating (DC)=100V, Width=800µm
C15 C37: library part "Wurth 885382208005", "WCAP-CSST 1206 (3216Metric) ceramic capacitor 0.126Lx0.063W 3.20mmx1.60mm X7R ±10% 1muF", Capacitance=1uF, Case/Package=1206, Dielectric=X7R, Insulation Resistance=500MΩ, Manufacturer="Wurth Elektronik", Manufacturer Lifecycle Status=ACTIVE, Max Operating Temperature=125°C, Min Operating Temperature=-55°C, Supplier Part Number=1855579, Voltage Rating=50V, Category="Ceramic Capacitors", ComponentLink1Description=https://datasheet.octopart.com:443/885382208005-W%C3%BCrth-Elektronik-datasheet-137006684.pdf?src-supplier=Wurth+Elektronik, ComponentLink1URL=https://datasheet.octopart.com:443/885382208005-W%C3%BCrth-Elektronik-datasheet-137006684.pdf?src-supplier=Wurth+Elektronik, Height=1.6mm, Length=3.2mm, Lifecycle Status=Production, Manufacturer Part Number=885382208005, Pricing="25=0,187, 250=0,174, 625=0,158, 1250=0,139, 2500=0,118 (EUR)", RoHS=Compliant, Stock=1375, Supplier=RS, Voltage Rating (DC)=50V, Width=1.6mm, YEOL="1 = Estimated lifetime > 10 years"
C22: library part "Samsung CL10B105KA8NNNC", "25V 1uF X7R 卤10% 0603 Multilayer Ceramic Capacitors MLCC - SMD/SMT ROHS", Capacitance=1uF, Case Code (Imperial)=0603, Case Code (Metric)=1608, Dielectric=X7R, Dielectric Material=Ceramic, Manufacturer="Samsung Electro-Mechanics", Max Operating Temperature=125°C, Min Operating Temperature=-55°C, Supplier Part Number=7664847, Tolerance=10%, Voltage=25V, Case/Package=0603, Category="Ceramic Capacitors", China RoHS=Compliant, ComponentLink1Description=https://datasheet.octopart.com:443/CL10B105KA8NNNC-Samsung-Electro-Mechanics-datasheet-182019882.pdf?src-supplier=IHS, ComponentLink1URL=https://datasheet.octopart.com:443/CL10B105KA8NNNC-Samsung-Electro-Mechanics-datasheet-182019882.pdf?src-supplier=IHS, ComponentLink2Description=https://datasheet.octopart.com:443/CL10B105KA8NNNC-Samsung-Electro-Mechanics-datasheet-106547815.pdf?src-supplier=Upverter, ComponentLink2URL=https://datasheet.octopart.com:443/CL10B105KA8NNNC-Samsung-Electro-Mechanics-datasheet-106547815.pdf?src-supplier=Upverter, ComponentLink3Description=https://datasheet.octopart.com:443/CL10B105KA8NNNC-Samsung-Electro-Mechanics-datasheet-137699931.pdf?src-supplier=Samsung+SCT, ComponentLink3URL=https://datasheet.octopart.com:443/CL10B105KA8NNNC-Samsung-Electro-Mechanics-datasheet-137699931.pdf?src-supplier=Samsung+SCT, ComponentLink4Description=https://datasheet.octopart.com:443/CL10B105KA8NNNC-Samsung-Electro-Mechanics-datasheet-116890983.pdf?src-supplier=Future+Electronics, ComponentLink4URL=https://datasheet.octopart.com:443/CL10B105KA8NNNC-Samsung-Electro-Mechanics-datasheet-116890983.pdf?src-supplier=Future+Electronics, ComponentLink5Description=https://datasheet.octopart.com:443/CL10B105KA8NNNC-Samsung-datasheet-12527851.pdf?src-supplier=Future+Electronics, ComponentLink5URL=https://datasheet.octopart.com:443/CL10B105KA8NNNC-Samsung-datasheet-12527851.pdf?src-supplier=Future+Electronics, ComponentLink6Description=https://datasheet.octopart.com:443/CL10B105KA8NNNC-Samsung-datasheet-26669022.pdf?src-supplier=Future+Electronics, ComponentLink6URL=https://datasheet.octopart.com:443/CL10B105KA8NNNC-Samsung-datasheet-26669022.pdf?src-supplier=Future+Electronics, ComponentLink7Description=https://datasheet.octopart.com:443/CL10B105KA8NNNC-Samsung-Electro-Mechanics-datasheet-149136795.pdf?src-supplier=Future+Electronics, ComponentLink7URL=https://datasheet.octopart.com:443/CL10B105KA8NNNC-Samsung-Electro-Mechanics-datasheet-149136795.pdf?src-supplier=Future+Electronics, ComponentLink8Description=https://datasheet.octopart.com:443/CL10B105KA8NNNC-Samsung-datasheet-37081328.pdf?src-supplier=Future+Electronics, ComponentLink8URL=https://datasheet.octopart.com:443/CL10B105KA8NNNC-Samsung-datasheet-37081328.pdf?src-supplier=Future+Electronics, ComponentLink9Description=https://datasheet.octopart.com/CL10B105KA8NNNC-Samsung-Electro-Mechanics-datasheet-97040617.pdf, ComponentLink9URL=https://datasheet.octopart.com/CL10B105KA8NNNC-Samsung-Electro-Mechanics-datasheet-97040617.pdf, ComponentLink10Description=https://datasheet.octopart.com/CL10B105KA8NNNC-Samsung-Electro-Mechanics-datasheet-8324245.pdf, ComponentLink10URL=https://datasheet.octopart.com/CL10B105KA8NNNC-Samsung-Electro-Mechanics-datasheet-8324245.pdf, ComponentLink11Description=https://datasheet.octopart.com:443/CL10B105KA8NNNC-Samsung-datasheet-59220082.pdf?src-supplier=TME, ComponentLink11URL=https://datasheet.octopart.com:443/CL10B105KA8NNNC-Samsung-datasheet-59220082.pdf?src-supplier=TME, ComponentLink12Description=https://datasheet.octopart.com:443/CL10B105KA8NNNC-Samsung-Electro-Mechanics-datasheet-11897796.pdf?src-supplier=Arrow+Electronics, ComponentLink12URL=https://datasheet.octopart.com:443/CL10B105KA8NNNC-Samsung-Electro-Mechanics-datasheet-11897796.pdf?src-supplier=Arrow+Electronics, Contact Plating=Tin, Country of Origin="Mainland China, Philippines, South Korea", Depth=800µm, Export Control Classification Number (ECCN) Code=EAR99, Harmonized Tariff Schedule (HTS) Code=8532.24.00.20, Height=900µm, Introduction Date=2009-11-02, Length=1.6mm, Lifecycle Status=Production, Manufacturer Part Number=CL10B105KA8NNNC, Material=Ceramic, Mounting Technology="Surface Mount", Number of Terminals=2, Pricing="4000=0,014, 8000=0,014, 16000=0,013, 24000=0,011, 40000=0,009 (EUR)", Radiation Hardening=No, REACH SVHC=Yes, RoHS=Compliant, Schedule B="8532240020, 8532240020|8532240020, 8532240020|8532240020|8532240020, 8532240020|8532240020|8532240020|8532240020", Stock=464000, Supplier=RS, Thickness=889µm, Voltage Rating=25V, Voltage Rating (DC)=25V, Width=800µm